# KiCad board pcb.kicad_pcb (continued)
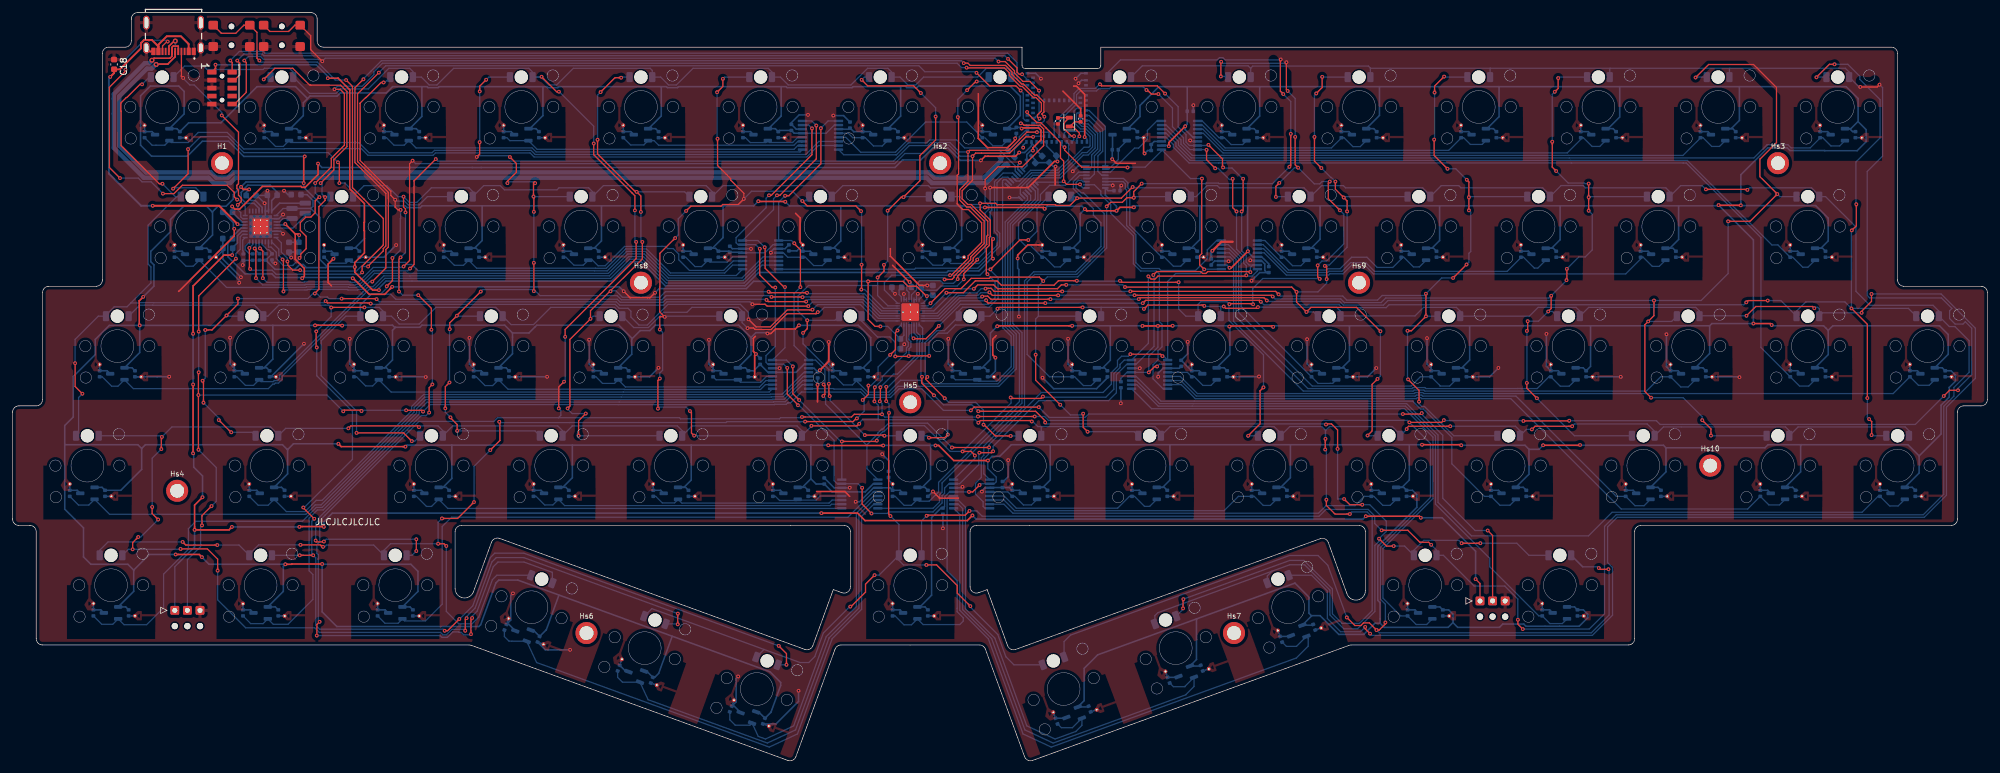
[diagram p0: board, top side]
## Routing (per net, layer and track width the routed paths; a pad name or vN(x,y) marks a point on that pad's centre or on a via; arc(x,y) is an arc through that point) (continued)
/ANA_07: length 9
  Bottom w0.2: MUXB1.4 132.67,99.67 133.37,98.97 Cvout7.1 135.35,98.97 136.67,97.65 138.04,97.65 TMR7.2
/ANA_08: length 31.3
  Bottom w0.2: TMR8.2 157.06,97.67 155.64,97.67 154.34,98.97 ; MUXB1.5 132.28,99.02 134.64,96.66 140.15,96.66 144.95,101.46 151.46,101.46 Cvout8.1
/ANA_09: length 6.3
  Bottom w0.2: MUXA2.10 174.03,93.99 175.53,95.49 Cvout9.1 175.53,97.14 TMR9.2
/ANA_10: length 9.6
  Bottom w0.2: TMR10.2 195.27,97.88 193.44,97.88 192.35,98.97 Cvout10.1 191.5,98.97 188.85,101.62 MUXB5.9
/ANA_11: length 30
  Bottom w0.2: MUXB5.10 188.85,100.97 192.48,97.34 209.37,97.34 210.95,98.92 Cvout11.1 211.35,98.97 212.77,97.55 213.94,97.55 TMR11.2
/ANA_12: length 48.7
  Bottom w0.2: TMR12.2 233.29,97.9 231.42,97.9 230.35,98.97 Cvout12.1 229.95,98.92 227.97,96.94 192.31,96.94 188.93,100.32 MUXB5.11
/ANA_13: length 68.2
  Bottom w0.2: MUXB5.12 189.02,99.67 192.14,96.54 246.81,96.54 248.95,98.69 Cvout13.1 249.35,98.97 250.74,97.58 251.97,97.58 TMR13.2
/ANA_14: length 94
  Bottom w0.2: TMR14.2 270.97,97.58 269.74,97.58 268.35,98.97 Cvout14.1 267.95,98.92 265.17,96.15 246.98,96.15 246.97,96.14 192.31,96.14 191.98,96.14 187.27,96.15 185.48,97.93 185.48,98.62 183.12,100.97 MUXB5.7
/ANA_15: length 113.4
  Bottom w0.2: TMR15.2 290.05,97.66 288.66,97.66 287.35,98.97 Cvout15.1 286.95,98.92 285.37,97.34 282.33,97.34 281.84,97.84 278.52,97.84 276.43,95.75 247.14,95.75 247.14,95.74 191.81,95.74 191.81,95.75 187.1,95.75 185.08,97.77 185.08,98.37 183.12,100.32 MUXB5.6
/ANA_16: length 103.9
  Bottom w0.2: MUXB2.5 119.14,80.02 115.79,76.67 104.1,76.67 100.28,80.48 97.65,80.48 94.57,77.41 62.9,77.41 62.9,77.4 57.44,77.4 55.28,75.25 54.68,75.25 54.6,75.17 53.4,75.17 53.32,75.25 46.65,75.25 46.57,75.17 33.96,75.17 TMR16.2 28.69,78.55 27.52,78.55 26.1,79.97 Cvout16.1
/ANA_17: length 71
  Bottom w0.2: Cvout17.1 50.39,79.03 52.92,79.03 TMR17.2 53.74,79.15 62.34,79.15 62.67,78.82 63.36,78.82 64.35,77.83 92.38,77.83 92.4,77.81 94.41,77.81 97.49,80.89 100.45,80.89 104.27,77.07 114.88,77.07 MUXB2.9
/ANA_18: length 52.2
  Bottom w0.2: Cvout18.1 68.85,79.97 70.13,78.69 71.58,78.69 TMR18.2 73.66,78.23 92.54,78.23 92.56,78.21 94.24,78.21 97.32,81.29 100.61,81.29 104.43,77.47 113.05,77.47 114.3,78.72 MUXB2.10
/ANA_19: length 33.7
  Bottom w0.2: MUXB2.11 114.39,79.37 114.14,79.12 114.13,79.12 112.88,77.87 107.45,77.87 105.75,79.56 105.75,80.47 104.87,81.35 103.97,81.35 103.63,81.69 103.09,81.69 97.15,81.69 94.07,78.61 92.94,78.61 92.05,79.5 TMR19.2 90.6,78.71 89.11,78.71 87.85,79.97 Cvout19.1
/ANA_20: length 10.9
  Bottom w0.2: MUXB2.12 114.28,80.02 113.45,79.2 110.69,79.2 TMR20.2 109.38,78.49 108.33,78.49 106.85,79.97 Cvout20.1
/ANA_21: length 9
  Bottom w0.2: MUXB2.4 122.35,80.67 123.05,79.97 Cvout21.1 125.85,79.97 127.17,78.65 128.54,78.65 TMR21.2
/ANA_22: length 28.2
  Bottom w0.2: 144.85,79.97 146.11,78.71 147.6,78.71 TMR22.2 148.91,78.97 153.4,78.97 156.31,81.88 156.31,83.61 155.88,84.04 155.88,91.97 157.25,93.35 158.76,93.35 159.3,92.81 MUXA1.13
/ANA_23: length 27.2
  Bottom w0.2: MUXA2.6 169.22,93.49 167.13,91.4 164.64,91.4 163.17,89.93 163.17,88.9 159.69,85.42 159.69,82.9 160.76,81.83 161.59,81.83 Cvout23.1 163.85,79.97 165.39,78.43 166.32,78.43 TMR23.2
/ANA_24: length 22.9
  Bottom w0.2: MUXA2.13 176.35,92.49 177.05,91.79 177.05,91.01 177.35,90.71 177.35,85.06 182.45,79.97 Cvout24.1 182.85,79.97 184.28,78.54 185.43,78.54 TMR24.2
/ANA_25: length 9.8
  Bottom w0.2: TMR25.2 204.51,78.62 203.2,78.62 201.85,79.97 Cvout25.1 198.79,82.62 MUXB6.9
/ANA_26: length 31.9
  Bottom w0.2: MUXB6.10 198.51,81.97 202.54,77.94 208.59,77.94 208.79,78.14 210.74,78.14 212.57,79.97 215,79.97 216.62,78.34 219.11,78.34 220.45,79.69 Cvout26.1 220.85,79.97 222.39,78.43 223.32,78.43 TMR26.2
/ANA_27: length 50.8
  Bottom w0.2: TMR27.2 242.13,78.24 241.58,78.24 239.85,79.97 Cvout27.1 239.45,79.91 237.26,77.72 216.21,77.72 214.82,79.11 212.4,79.11 211.03,77.74 208.95,77.74 208.75,77.54 202.38,77.54 198.59,81.32 MUXB6.11
/ANA_28: length 69.7
  Bottom w0.2: TMR28.2 261.41,78.52 260.3,78.52 258.85,79.97 Cvout28.1 258.45,79.69 256.08,77.32 216.04,77.32 214.65,78.71 212.57,78.71 211.2,77.34 209.12,77.34 208.92,77.14 202.21,77.14 198.68,80.67 MUXB6.12
/ANA_29: length 113.3
  Bottom w0.2: TMR29.2 285.02,78.38 284.19,78.38 282.6,79.97 Cvout29.1 280.25,81.92 279.28,81.92 265.86,95.35 247.31,95.35 247.31,95.34 192.31,95.34 191.65,95.34 191.65,95.35 186.94,95.35 184.68,97.6 184.68,98.12 183.12,99.67 MUXB5.5
/ANA_30: length 121
  Bottom w0.2: MUXB2.7 118.98,78.72 116.12,75.87 103.77,75.87 99.98,79.66 97.96,79.66 94.9,76.6 63.23,76.6 63.23,76.6 59.1,76.6 57.37,74.88 56.61,74.88 55.78,74.04 42.8,61.07 42.8,60.55 42.21,59.96 41.7,59.96 41.53,59.8 41.3,59.8 40.59,59.09 19.17,59.09 TMR30.2 16.73,59.47 15.72,59.47 14.22,60.97 Cvout30.1
/ANA_31: length 98.9
  Bottom w0.2: MUXB2.6 119.06,79.37 115.96,76.27 103.94,76.27 100.14,80.06 97.79,80.06 94.74,77.01 63.06,77.01 58.93,77 57.2,75.28 56.45,75.28 55.61,74.44 55.61,74.44 42.39,61.22 42.4,61.21 42.4,60.72 42.05,60.36 41.55,60.36 41.54,60.37 41.36,60.2 39.44,60.2 TMR31.2 38.25,59.61 36.96,59.61 35.6,60.97 Cvout31.1
/ANA_32: length 68.5
  Bottom w0.2: Cvout32.1 54.6,60.97 56.05,59.52 57.16,59.52 TMR32.2 60.09,58.55 96.96,58.55 96.96,58.54 120.11,58.54 MUXB3.9
/ANA_33: length 49.4
  Bottom w0.2: Cvout33.1 73.6,60.97 74.99,59.58 76.22,59.58 TMR33.2 78.65,58.99 97.08,58.99 97.12,58.94 118.73,58.94 119.5,59.72 MUXB3.10
/ANA_34: length 30
  Bottom w0.2: MUXB3.11 119.59,60.37 118.56,59.34 97.29,59.34 TMR34.2 95.56,59.92 93.65,59.92 92.6,60.97 Cvout34.1
/ANA_35: length 10.2
  Bottom w0.2: Cvout35.1 111.67,60.5 TMR35.2 115.54,60.1 118.75,60.1 119.67,61.02 MUXB3.12
/ANA_36: length 62.5
  Bottom w0.2: MUXA1.6 161.12,89.59 161.12,89.11 157.58,85.58 157.58,68.93 157.58,68.93 158.93,67.59 158.93,62.38 156.41,59.86 144.67,59.86 144.12,60.41 140.96,60.41 139.08,58.53 135.76,58.53 134.14,60.15 TMR36.2 133.32,59.68 131.89,59.68 130.6,60.97 Cvout36.1
/ANA_37: length 42.1
  Bottom w0.2: MUXA1.10 158.24,91.75 157.7,92.29 157.32,92.29 157.16,92.12 157.16,91.84 157.14,91.82 157.14,91.51 157.16,91.49 157.16,68.79 157.18,68.77 158.53,67.42 158.53,62.54 156.24,60.26 153.38,60.26 TMR37.2 149.67,60.5 Cvout37.1
/ANA_38: length 53.7
  Bottom w0.2: MUXA2.3 169.91,91.99 169.7,92.2 169.18,92.2 168.82,91.84 168.82,91.01 169.63,90.2 170.01,90.2 173.28,86.93 173.28,81.6 168.93,77.25 162.26,77.25 161.06,76.05 161.06,64.52 164.61,60.97 Cvout38.1 168.6,60.97 169.99,59.58 171.22,59.58 TMR38.2
/ANA_39: length 9
  Bottom w0.2: TMR39.2 190.24,59.6 188.97,59.6 187.6,60.97 Cvout39.1 186.5,61.67 MUXB7.4
/ANA_40: length 32.2
  Bottom w0.2: TMR40.2 209.57,59.93 209.17,59.93 209.16,59.92 207.25,59.92 Cvout40.1 195.03,72.14 195.03,79.94 193,81.97 MUXB6.7
/ANA_41: length 53
  Bottom w0.2: MUXB6.6 193.09,81.32 194.63,79.78 194.63,71.18 206.32,59.5 222.01,59.5 223.48,60.97 Cvout41.1 226.59,59.58 226.59,59.5 228.14,59.5 TMR41.2
/ANA_42: length 72.5
  Bottom w0.2: TMR42.2 247.12,59.48 245.69,59.48 Cvout42.1 243.89,60.97 242.02,59.1 239.54,59.1 239.53,59.11 238.87,59.11 238.86,59.1 224.36,59.1 224.2,59.26 222.34,59.26 222.18,59.1 205.62,59.1 194.23,70.49 194.23,79.61 193.17,80.67 MUXB6.5
/ANA_43: length 92
  Bottom w0.2: MUXB6.4 193.25,80.02 193.83,79.44 193.83,69.76 204.89,58.7 222.34,58.7 222.5,58.86 224.04,58.86 224.2,58.7 259.36,58.7 261.63,60.97 Cvout43.1 264.82,59.35 265.99,59.35 TMR43.2
/ANA_44: length 131
  Bottom w0.2: MUXB5.4 183.12,99.02 184.28,97.87 184.28,97.44 186.77,94.95 191.48,94.95 191.48,94.94 192.48,94.94 247.47,94.94 265.2,94.95 265.21,94.94 265.7,94.94 277.55,83.09 277.55,65.62 Cvout44.1 283.68,59.49 285.13,59.49 TMR44.2
/ANA_45: length 128.7
  Bottom w0.2: Cvout45.1 10.46,40.59 12.1,40.59 TMR45.2 15.39,39.12 46.55,39.12 48.04,40.61 48.98,40.61 63.74,55.37 63.74,56.07 65.42,57.75 96.62,57.75 96.63,57.74 120.44,57.74 120.49,57.8 122.32,57.8 125.54,61.02 MUXB3.5
/ANA_46: length 100.1
  Bottom w0.2: MUXB3.4 125.63,61.67 122.15,58.2 120.33,58.2 120.28,58.14 96.79,58.14 96.79,58.15 65.25,58.15 63.34,56.23 63.34,55.54 49.13,41.33 48.2,41.33 46.42,39.55 43.46,39.55 TMR46.2 40.57,40.56 38.98,40.56 Cvout46.1
/ANA_47: length 69.7
  Bottom w0.2: MUXB4.9 130.9,40.07 130.88,40.05 69.09,40.05 TMR47.2 66.51,40.37 65.7,40.37 64.1,41.97 Cvout47.1
/ANA_48: length 50.4
  Bottom w0.2: MUXB4.10 130.01,40.72 129.78,40.49 87.64,40.49 TMR48.2 86.64,41.47 85.76,40.6 84.47,40.6 83.1,41.97 Cvout48.1
/ANA_49: length 31.1
  Bottom w0.2: MUXB4.11 130.09,41.37 129.62,40.89 106.24,40.89 TMR49.2 105.64,41.47 105.09,40.93 103.14,40.93 102.1,41.97 Cvout49.1
/ANA_50: length 11.6
  Bottom w0.2: MUXB4.12 128.2,42.02 127.55,41.36 124.77,41.36 TMR50.2 124.64,41.47 124.47,41.31 121.76,41.31 121.1,41.97 Cvout50.1
/ANA_51: length 65.2
  Bottom w0.2: Cvout51.1 140.1,41.97 141.52,40.55 142.69,40.55 TMR51.2 143.94,41.2 145.52,41.2 147,42.67 147,44.19 159.84,57.03 159.84,67.8 158.38,69.26 158.38,69.27 158.38,85.25 162.37,89.24 162.37,90.47 161.8,91.05 MUXA1.3
/ANA_52: length 8.8
  Bottom w0.2: TMR52.2 161.74,40.6 160.47,40.6 159.1,41.97 Cvout52.1 158,42.67 MUXB8.4
/ANA_53: length 29.2
  Bottom w0.2: MUXB8.5 157.41,42.02 159.34,40.09 175.42,40.09 177.3,41.97 Cvout53.1 178.1,41.97 179.69,40.38 180.52,40.38 TMR53.2
/ANA_54: length 48.2
  Bottom w0.2: MUXB8.6 157.4,41.37 159.08,39.69 192.32,39.69 194.6,41.97 Cvout54.1 197.1,41.97 198.54,40.53 199.67,40.53 TMR54.2
/ANA_55: length 67.2
  Bottom w0.2: TMR55.2 218.68,40.54 217.53,40.54 216.1,41.97 Cvout55.1 214.59,41.97 213.11,40.49 208.52,40.49 207.32,39.29 158.8,39.29 157.37,40.72 MUXB8.7
/ANA_56: length 72.3
  Bottom w0.2: TMR56.2 237.7,40.56 236.11,40.56 Cvout56.1 233.65,41.97 228.48,47.14 228.48,51.33 223.97,55.85 223.51,55.85 222.26,57.09 187.58,57.09 187.58,57.1 182.3,57.1 178.37,61.02 MUXB7.12
/ANA_57: length 85.4
  Bottom w0.2: MUXB7.6 185.44,60.37 187.92,57.89 222.67,57.89 222.83,58.06 223.7,58.06 223.87,57.89 238.66,57.89 254.59,41.97 Cvout57.1 257.56,40.48 258.99,40.48 TMR57.2
/ANA_58: length 108.1
  Bottom w0.2: TMR58.2 280.5,40.61 278.81,40.61 Cvout58.1 275.44,39.96 255.37,39.96 237.83,57.49 223.7,57.49 223.54,57.66 223,57.66 222.84,57.49 187.75,57.49 185.52,59.72 MUXB7.7
/ANA_59: length 136.4
  Bottom w0.2: MUXB3.6 125.46,60.37 122.48,57.4 120.66,57.4 120.61,57.34 96.46,57.34 65.59,57.35 64.14,55.9 64.14,55.2 49.14,40.21 48.21,40.21 46,38 29.08,38 27.91,36.83 27.91,33.55 23.97,29.61 23.97,24.26 21.28,21.57 17.69,21.57 TMR59.2 15.9,21.64 14.15,21.64 Cvout59.1
/ANA_60: length 115.5
  Bottom w0.2: MUXB3.7 125.37,59.72 122.65,57 120.83,57 120.77,56.94 96.29,56.94 65.81,56.95 64.54,55.68 64.54,55.04 49.31,39.8 48.38,39.8 47.07,38.5 47.07,30.13 47.67,29.53 47.67,25.59 43.72,21.63 41.38,21.63 TMR60.2 39.75,21.74 37.8,21.74 Cvout60.1
/ANA_61: length 96
  Bottom w0.2: Cvout61.1 59.12,21.8 61.19,21.8 TMR61.2 62.22,22.17 65.54,22.17 68.2,24.83 68.2,37.17 69.68,38.65 132.6,38.65 136.63,42.67 MUXB4.4
/ANA_62: length 93.7
  Bottom w0.2: 81.61,18.95 79.27,18.95 78.79,18.97 78.07,19.68 Cvout62.1 ; MUXB4.7 136.71,40.72 134.78,38.8 134.78,24.02 130.11,19.35 124.6,4.21 120.11,2.12 83.19,15.56 TMR62.2
/ANA_63: length 74.1
  Bottom w0.2: Cvout63.1 96.05,13.2 96.82,12.43 TMR63.2 100.89,9.65 119.81,2.76 124.3,4.85 129.61,19.45 129.61,19.47 134.35,24.21 134.35,39.1 136.63,41.37 MUXB4.6
/ANA_64: length 55
  Bottom w0.2: MUXB4.5 136.69,42.02 133.95,39.28 133.95,24.46 129.16,19.67 124,5.49 119.51,3.4 118.38,3.81 TMR64.2 117.06,5.6 114.72,5.6 113.85,6.47 Cvout64.1
/ANA_65: length 34.6
  Bottom w0.2: MUXB8.12 148.73,42.02 148.35,41.64 148.35,30.13 149.95,28.53 149.95,24.19 149.94,24.18 149.94,23.64 150.92,22.66 150.92,22.15 150.36,21.59 144.55,21.59 TMR65.2 142.69,21.55 141.52,21.55 140.1,22.97 Cvout65.1
/ANA_66: length 55.6
  Bottom w0.2: Cvout66.1 166.49,5.2 168.24,5.2 TMR66.2 169.75,5.56 168.78,4.59 168.76,4.59 165.49,3.4 161,5.49 155.93,19.43 151.27,24.08 151.27,40.23 150.12,41.37 MUXB8.11
/ANA_67: length 75.2
  Bottom w0.2: Cvout67.1 184.27,11.72 186.11,11.72 186.11,11.77 TMR67.2 187.55,11.75 186.25,10.46 186.25,10.43 165.19,2.76 160.7,4.85 155.41,19.37 150.82,23.97 150.82,40.03 150.12,40.72 MUXB8.10
/ANA_68: length 94.6
  Bottom w0.2: MUXB8.9 150.36,39.1 150.36,23.86 154.9,19.32 160.4,4.21 164.89,2.12 203.8,16.28 205.67,18.15 205.67,19.44 TMR68.2 203.82,18.13 202.21,18.13 Cvout68.1
/ANA_69: length 89.9
  Bottom w0.2: TMR69.2 224.49,21.6 222.82,21.6 Cvout69.1 220.36,22.97 217.54,25.78 217.54,33.68 225.48,41.62 225.48,51.39 220.97,55.89 180.81,55.89 MUXB7.9
/ANA_70: length 92.3
  Bottom w0.2: TMR70.2 246.02,21.75 244.04,21.75 Cvout70.1 242.3,22.97 234.49,30.77 234.49,32.12 225.88,40.73 225.88,51.55 221.14,56.29 187.25,56.29 187.25,56.3 181.88,56.3 178.46,59.72 MUXB7.10
/ANA_71: length 142.9
  Bottom w0.2: MUXB7.11 178.37,60.37 182.05,56.7 187.42,56.7 187.42,56.69 221.3,56.69 226.28,51.72 226.28,41.01 231.6,35.69 250.17,35.69 253.92,39.44 293.61,39.44 296.14,41.97 Cvout71.1 297.98,40.44 299.33,40.44 TMR71.2
/ANA_72: length 125.1
  Bottom w0.2: MUXB7.5 185.36,61.02 188.08,58.3 222.51,58.3 222.67,58.46 223.87,58.46 224.03,58.3 298.53,58.3 Cvout72.1 302.55,59.62 304.26,59.62 TMR72.2
/CS0: length 169.1
  Top w0.2: v1(166.32,56.52) 162.41,60.43 v1(162.41,64.49) ; v1(201.72,105.9) 201.25,106.36 201.25,111.34 v1(201.31,111.4) ; v1(179.24,91.67) 177.99,90.41 177.99,89.44 v1(178,89.42) 176.9,89.42 176.17,88.7 174.33,88.7 v1(173.68,88.05) ; v1(163.62,76.18) 162.99,76.81 155.25,76.81 155.05,76.61 152.18,76.61 150.55,74.98 148.03,74.98 v1(145.71,72.66) ; v1(202.91,99.58) 202.91,94.56 v1(202.69,94.34) ; v1(170.66,52.24) 169.95,52.95 v1(169.95,55.11)
  Bottom w0.2: v1(170.66,52.24) 178.06,52.24 D53.1 ; v1(162.41,64.49) 162.41,70.16 162.84,70.59 ; v1(178,89.42) 178.17,89.6 D24.1 ; v1(173.68,88.05) 173.68,81.43 169.09,76.85 164.28,76.85 162.84,75.41 162.84,70.59 ; D9.1 173.95,109.4 175.88,111.33 191.23,111.33 191.59,111.69 192.13,111.69 192.49,111.33 201.24,111.33 v1(201.31,111.4) ; D38.1 162.85,70.6 162.84,70.59 ; v1(145.71,72.66) 145.3,72.25 LEDDR1.2 ; v1(166.32,56.52) 167.93,54.91 169.75,54.91 v1(169.95,55.11) ; v1(202.69,94.34) 200.02,91.67 191.5,91.67 191.41,91.75 189.46,91.75 189.38,91.67 v1(179.24,91.67) ; v1(201.72,105.9) 202.91,104.71 v1(202.91,99.58)
/CS1: length 166.7
  Top w0.2: v1(185.11,76) 176.02,76 v1(175.8,76.22) ; v1(204.08,94.2) 203.61,94.67 v1(203.61,99.09) ; v1(198.58,59.29) 198.03,58.74 198.03,53.48 v1(196.14,51.59) ; v1(193.16,72.5) 193.26,72.59 196.83,72.59 v1(196.93,72.49) ; v1(210.72,87.43) 208.86,89.29 208.86,91.76 v1(209.1,92) ; v1(202.42,106.39) 202.21,106.6 v1(202.21,110.96) ; v1(191.81,108.7) 191.81,110.99 v1(191.86,111.04) ; v1(201.09,91.78) 200.55,91.24 v1(200.55,89.55) ; v1(148.24,74.33) 150.94,74.33 152.82,76.21 156.28,76.21 156.96,75.53 165.32,75.53 166.02,76.23 v1(168.95,76.23) ; v1(207.51,76.52) 207.18,76.85 v1(207.18,78.68)
  Bottom w0.2: v1(196.93,72.49) 196.87,72.55 196.87,75 198.46,76.59 207.44,76.59 v1(207.51,76.52) ; v1(201.09,91.78) 203.51,94.2 v1(204.08,94.2) 206.65,91.63 207.51,91.63 207.89,92 v1(209.1,92) ; v1(200.55,89.55) 200.6,89.6 D25.1 ; D54.1 196.15,51.6 v1(196.14,51.59) ; v1(168.95,76.23) 169.01,76.17 175.75,76.17 v1(175.8,76.22) ; LEDDR1.3 145.76,71.85 v1(148.24,74.33) ; v1(198.58,59.29) 198.58,64.44 193.1,69.92 193.1,72.44 v1(193.16,72.5) 192.78,72.89 188.61,72.89 188.2,72.48 D39.1 186.25,70.6 185.11,71.74 v1(185.11,76) ; v1(202.42,106.39) 203.61,105.2 v1(203.61,99.09) ; v1(202.21,110.96) 202.04,110.79 192.11,110.79 v1(191.86,111.04) ; v1(191.81,108.7) 192.85,108.7 D10.1 ; v1(210.72,87.43) 211.33,86.82 211.33,82.1 208.6,79.36 207.87,79.36 v1(207.18,78.68)
/CS2: length 157.8
  Top w0.2: v1(215.09,51.63) 215.82,52.36 215.82,59.77 v1(216.68,60.63) ; v1(208.32,78.59) 208.55,78.59 208.61,78.52 v1(208.61,76.49) ; v1(176.59,75.23) 203.06,75.23 v1(203.83,74.46) 203.83,72.84 v1(205.4,71.27) 206.13,72 213.35,72 v1(217.14,68.21) ; v1(152.6,74.95) 153.23,75.58 155.75,75.58 156.37,74.96 165.86,74.96 166.48,75.58 v1(167.26,75.58) ; v1(206.95,106) 207.9,106.95 v1(207.9,108.64) ; v1(206.67,99.09) 206.67,95.24 v1(207.77,94.14) ; v1(209.99,92) 209.99,90.78 v1(211.31,89.46) 211.85,88.92 v1(211.85,87.25)
  Bottom w0.2: v1(211.31,89.46) 211.45,89.6 D26.1 ; v1(207.9,108.64) 207.94,108.6 D11.1 ; D40.1 206.53,71.27 v1(205.4,71.27) ; v1(215.09,51.63) 215.12,51.6 D55.1 ; v1(206.95,106) 206.67,105.72 v1(206.67,99.09) ; v1(167.26,75.58) 176.24,75.58 v1(176.59,75.23) ; v1(217.14,68.21) 217.14,61.09 v1(216.68,60.63) ; v1(207.77,94.14) 209.26,92.65 209.34,92.65 v1(209.99,92) ; LEDDR1.4 146.25,71.45 149.75,74.95 v1(152.6,74.95) ; v1(203.83,74.46) 207.22,74.46 208.61,75.85 v1(208.61,76.49) ; v1(211.85,87.25) 211.85,81.56 209.02,78.72 208.46,78.72 v1(208.32,78.59)
/CS3: length 174.3
  Top w0.2: v1(166.63,74.54) 155.83,74.54 155.33,75.04 154.51,75.04 v1(154.45,74.97) ; v1(231.19,87.42) v1(231.19,89.51) 231.19,91.94 v1(230.85,92.28) ; v1(200.98,74.07) 200.5,74.55 v1(177.43,74.55) ; v1(227.79,94.03) 225.67,96.15 v1(225.67,98.67) ; v1(230.82,78.82) v1(228.68,76.67) ; v1(223.27,57.01) 223.27,58.82 v1(221.53,60.56) ; v1(227.25,108.68) 225.74,107.17 v1(225.74,106.14) ; v1(221.44,68.28) 222.06,68.28 v1(224.37,70.59) 224.37,74.16 v1(224.36,74.17)
  Bottom w0.2: D56.1 228.78,51.6 224.13,56.25 223.71,56.25 223.27,56.69 v1(223.27,57.01) ; v1(221.53,60.56) 221.44,60.65 v1(221.44,68.28) ; LEDDR1.5 146.75,71.05 150,74.3 153.09,74.3 153.76,74.97 v1(154.45,74.97) ; D41.1 224.38,70.6 v1(224.37,70.59) ; v1(225.67,98.67) 225.74,98.74 v1(225.74,106.14) ; D12.1 227.33,108.6 v1(227.25,108.68) ; D27.1 231.28,89.6 v1(231.19,89.51) ; v1(230.82,78.82) 231.19,79.19 231.19,80.59 231.48,80.88 231.48,87.13 v1(231.19,87.42) ; v1(228.68,76.67) 226.87,76.67 v1(224.36,74.17) 224.08,73.89 217.42,73.89 216.69,73.16 211.8,73.16 211.16,73.8 201.25,73.8 v1(200.98,74.07) ; v1(227.79,94.03) 229.1,94.03 v1(230.85,92.28) ; v1(177.43,74.55) 177.42,74.54 v1(166.63,74.54)
/CS4: length 198.1
  Top w0.2: v1(246.68,76.32) 246.74,76.38 v1(246.74,78.12) ; v1(165.98,73.91) 155.54,73.91 v1(155.06,74.39) ; v1(240.38,59.99) 240.38,59.16 v1(241.98,57.56) ; v1(250.2,87.36) v1(250.2,89.51) v1(250.2,91.67) ; v1(245.36,108.45) 245.36,106.8 v1(244.82,106.26) ; v1(243.78,71.35) 244.25,71.82 v1(244.25,73.85) ; v1(200.04,73.72) 199.83,73.93 v1(178.1,73.93) ; v1(244.42,98.32) 244.42,94.29 v1(245.04,93.67) ; v1(240.39,68.25) 240.52,68.38 v1(240.52,69.81) 240.47,69.76
  Bottom w0.2: v1(250.2,89.51) 250.29,89.6 D28.1 ; D57.1 247.94,51.6 v1(241.98,57.56) ; v1(244.82,106.26) 244.42,105.86 v1(244.42,98.32) ; v1(250.2,91.67) 249.6,91.67 249.51,91.76 246.95,91.76 v1(245.04,93.67) ; v1(155.06,74.39) 155.01,74.33 153.69,74.33 153.25,73.9 150.16,73.9 146.91,70.65 LEDDR1.6 ; v1(246.68,76.32) 246.68,76.28 v1(244.25,73.85) 243.89,73.49 217.98,73.49 217.25,72.76 211.43,72.76 210.84,73.35 200.41,73.35 v1(200.04,73.72) ; D13.1 245.51,108.6 v1(245.36,108.45) ; v1(165.98,73.91) 166,73.93 v1(178.1,73.93) ; v1(240.38,59.99) 240.39,60 v1(240.39,68.25) ; v1(240.52,69.81) 242.24,69.81 v1(243.78,71.35) 244.45,71.35 D42.1 ; v1(250.2,87.36) 250.77,86.79 250.77,81.13 249.65,80.01 248.63,80.01 v1(246.74,78.12)
/CS5: length 232.6
  Top w0.2: v1(164.76,73.3) 155.3,73.3 154.81,73.79 153.99,73.79 v1(153.92,73.72) ; v1(260.57,73.09) 260.57,70.69 v1(259.65,69.77) 259.11,69.23 259.11,58.64 v1(260.11,57.65) ; v1(178.78,73.32) 178.99,73.53 198.67,73.53 v1(199.11,73.09) ; v1(269.62,51.63) 269.62,52.68 v1(268.23,54.08) ; v1(267.17,108.53) 269.24,110.6 276.38,110.6 280.02,106.96 280.02,98.19 277.39,95.56 277.39,92.77 v1(280.15,90.01) 275.82,85.68 v1(272.34,85.68)
  Bottom w0.2: v1(164.76,73.3) 178.76,73.3 v1(178.78,73.32) ; D58.1 269.65,51.6 v1(269.62,51.63) ; D29.1 280.56,89.6 v1(280.15,90.01) ; v1(153.92,73.72) 153.7,73.5 150.33,73.5 147.08,70.25 LEDDR1.7 ; v1(260.11,57.65) 265.2,57.65 268.23,54.62 v1(268.23,54.08) ; v1(199.11,73.09) 199.25,72.95 210.67,72.95 211.26,72.36 217.61,72.36 218.34,73.09 v1(260.57,73.09) 268.05,73.09 272.34,77.38 v1(272.34,85.68) ; v1(259.65,69.77) 263.37,69.77 D43.1 ; D14.1 267.24,108.6 v1(267.17,108.53)
/CS6: length 238
  Top w0.2: v1(292.69,88.39) 292.69,84.96 v1(291.97,84.24) ; v1(294.44,57.59) 294.44,69.31 v1(291.91,71.84) ; v1(289.24,110.63) 288.42,110.63 v1(286.35,108.56) ; v1(295.11,51.71) 295.14,51.74 295.14,53.83 v1(294.72,54.25) ; v1(275.22,72.8) 275.5,73.08 v1(278.62,73.08) ; v1(163.94,72.68) 154.86,72.68 154.54,72.99 v1(154.54,73.14) ; v1(179.42,72.67) 179.88,73.13 197.92,73.13 v1(198.16,72.89)
  Bottom w0.2: v1(163.94,72.68) 163.95,72.67 v1(179.42,72.67) ; v1(198.16,72.89) 198.63,72.42 210.61,72.42 211.07,71.96 218.05,71.96 218.51,72.42 274.84,72.42 v1(275.22,72.8) ; v1(286.35,108.56) 286.39,108.6 D15.1 ; v1(291.91,71.84) 300.96,71.84 D72.1 ; v1(291.91,71.84) 291.91,84.18 v1(291.97,84.24) ; v1(291.91,71.84) 290.88,72.87 284.67,72.87 283.2,71.4 D44.1 280.72,73.08 v1(278.62,73.08) ; v1(289.24,110.63) 291.34,110.63 293.25,108.72 293.25,108.22 296.46,105.01 296.46,98.94 292.63,95.11 292.63,88.45 v1(292.69,88.39) ; v1(295.11,51.71) 295.22,51.6 D71.1 ; LEDDR1.8 147.26,69.85 150.45,73.04 154.44,73.04 v1(154.54,73.14) ; v1(294.44,57.59) 294.44,54.53 v1(294.72,54.25)
/CS7: length 192.4
  Top w0.2: v1(208.5,53.39) 208.59,53.48 209.38,53.48 210.34,52.52 v1(210.34,49.51) ; v1(153.3,55.5) 162.38,55.5 163.92,53.95 v1(163.92,53.7) ; v1(219.25,34.07) 218.1,34.07 v1(216.93,35.24) ; v1(146.27,58.02) 144.34,59.95 144.34,60.93 v1(144.37,60.96) ; v1(214.25,40.64) 212.28,40.64 v1(211.37,41.55) ; v1(230.03,34.52) 233,34.52 v1(233.01,34.52)
  Bottom w0.2: v1(208.5,53.39) 208.41,53.48 164.15,53.48 v1(163.92,53.7) ; v1(219.25,34.07) 220.98,34.07 D69.1 222.45,33.4 224.03,34.98 229.57,34.98 v1(230.03,34.52) ; 199.95,30.08 199.18,29.31 D68.1 ; 199.95,30.08 202.72,31.09 205.11,31.09 209.12,27.08 209.12,23.12 211.32,20.92 213.51,20.92 216.26,23.66 216.26,34.16 216.93,34.83 v1(216.93,35.24) 218.07,36.39 218.07,38.02 215.45,40.64 v1(214.25,40.64) ; 199.95,30.08 181.81,23.48 181.33,23 D67.1 ; v1(144.37,60.96) 144.2,61.12 144.2,63.99 144.38,64.17 144.38,66.38 144.47,66.48 144.47,68.69 LEDDR1.9 ; v1(210.34,49.51) 210.34,41.58 210.37,41.55 v1(211.37,41.55) ; v1(233.01,34.52) 238.8,34.52 240.72,32.6 D70.1 ; v1(146.27,58.02) 147.78,56.51 152.29,56.51 v1(153.3,55.5)
/CS8: length 125.5
  Top w0.2: v1(136.84,29.45) 135.4,28.01 135.4,26.75 133.09,24.44 v1(132.98,24.44) ; v1(138.69,57.09) v1(138.69,59.37) ; v1(139.36,38.84) 139.07,39.13 139.07,55.17 v1(139.13,55.23) ; v1(145.05,31.07) 146.69,31.07 149.96,27.8 149.96,26.6 v1(152.04,24.52)
  Bottom w0.2: v1(145.05,31.07) 141.43,31.07 140.7,31.8 D65.1 ; D66.1 158.96,15.19 157.69,16.47 156.4,20.01 152.04,24.37 v1(152.04,24.52) ; v1(138.69,59.37) 139.01,59.37 143.96,64.32 143.96,66.53 144.07,66.64 144.07,67.51 143.5,68.08 LEDDR1.10 ; D64.1 118.08,16.43 119.29,17.63 ; v1(138.69,57.09) 139.13,56.65 v1(139.13,55.23) ; 119.29,17.63 125,15.56 126.4,15.56 127.35,16.51 128.71,20.26 132.89,24.44 v1(132.98,24.44) ; 119.29,17.63 101.48,24.12 100.29,22.92 D63.1 ; v1(139.36,38.84) 140.7,37.5 D65.1 ; v1(136.84,29.45) 137.55,29.45 D65.1
/CS9: length 190.2
  Top w0.2: v1(68.16,38.46) 70.65,38.46 v1(73.25,41.06) ; v1(27,34.72) 27.49,34.23 v1(32.49,34.23) ; v1(67.55,34.44) 68.49,34.44 v1(68.85,34.08) ; v1(125.81,53.85) 133.44,53.85 133.95,54.36 v1(134.03,54.36) ; v1(140.48,68.34) 140.16,68.01 140.16,65.3 v1(139.31,64.45) ; v1(77.26,53.82) 77.35,53.73 77.35,50.84 v1(75.83,49.32) ; v1(135.86,59.58) 135.86,58.19 v1(134.96,57.28) ; v1(45.69,34.26) 48.82,34.26 48.94,34.14 49.08,34.14 v1(49.28,33.95)
  Bottom w0.2: v1(134.96,57.28) 135.18,57.06 135.18,55.51 v1(134.03,54.36) ; v1(68.85,34.08) 68.85,23.69 70.83,21.71 72.93,21.71 74,22.78 76.17,28.73 76.87,29.42 D62.1 ; LEDDR1.16 140.48,68.64 v1(140.48,68.34) ; v1(27,34.72) 15.15,34.72 13.82,33.4 D59.1 ; v1(135.86,59.58) 136.27,59.58 137.4,60.71 137.4,62.54 v1(139.31,64.45) ; v1(77.26,53.82) 77.39,53.69 88.39,53.69 88.4,53.7 113.26,53.7 113.39,53.83 125.13,53.83 125.15,53.85 v1(125.81,53.85) ; v1(68.16,38.46) 67.55,37.85 v1(67.55,34.44) 59.99,34.44 58.95,33.4 D61.1 57.33,34.22 49.82,34.22 49.55,33.95 v1(49.28,33.95) ; v1(32.49,34.23) 35.95,34.23 D60.1 37.58,32.78 39.05,34.26 v1(45.69,34.26) 45.66,34.23 ; v1(75.83,49.32) 73.25,46.74 v1(73.25,41.06)
/CS10: length 204.6
  Top w0.2: v1(126.99,71.64) 126.94,71.59 122.97,71.59 120.29,68.91 118.01,68.91 v1(116.82,70.1) ; v1(23.79,91.65) 23.28,91.65 17.22,97.7 17.22,103.17 17.17,103.22 17.17,104.47 18.05,105.35 18.12,105.35 20.22,107.45 v1(20.55,107.45) ; v1(11.08,58.28) 9.92,59.44 v1(9.92,63.13) ; v1(56.85,72.6) 56.75,72.7 49.99,72.7 v1(49.69,73)
  Bottom w0.2: v1(116.82,70.1) 116.82,71.19 115.54,72.47 104.04,72.47 103.51,71.94 103.51,71.94 100.75,69.19 99.43,69.19 98.16,70.46 98.16,71.39 97.69,71.86 96.29,71.86 95.67,72.47 58.04,72.47 58.04,72.48 56.97,72.48 v1(56.85,72.6) ; 18.77,72.7 18.16,72.09 16.13,72.09 14.82,70.78 D30.1 13.6,70.6 9.92,66.92 v1(9.92,63.13) ; 18.77,72.7 19.96,72.7 20.01,72.75 22.41,72.75 22.42,72.74 42.08,72.74 42.1,72.75 43.79,72.75 43.8,72.74 49.43,72.74 v1(49.69,73) ; 18.77,72.7 21.96,75.89 21.96,78.42 21.52,78.87 21.52,85.06 26.05,89.6 D16.1 25.84,89.6 v1(23.79,91.65) ; D45.1 10.47,51.99 10.47,57.67 v1(11.08,58.28) ; LEDDR1.17 137.16,69.85 134.57,72.44 127.79,72.44 v1(126.99,71.64) ; D1.1 21.7,108.6 v1(20.55,107.45)
